# Altium PCB Zynq-Video-Board.PcbDoc (part 5 of 7)
Units mm, origin at the board's own origin, x right, y up, seen from the top; angles counter-clockwise.
Board outline 140 x 100.79 mm, 4 copper layers (Top Layer, Power Layer, GND Layer, Bottom Layer), stack 1.536 mm thick; 231 components, 238 nets, 1116 pads, 595 vias.
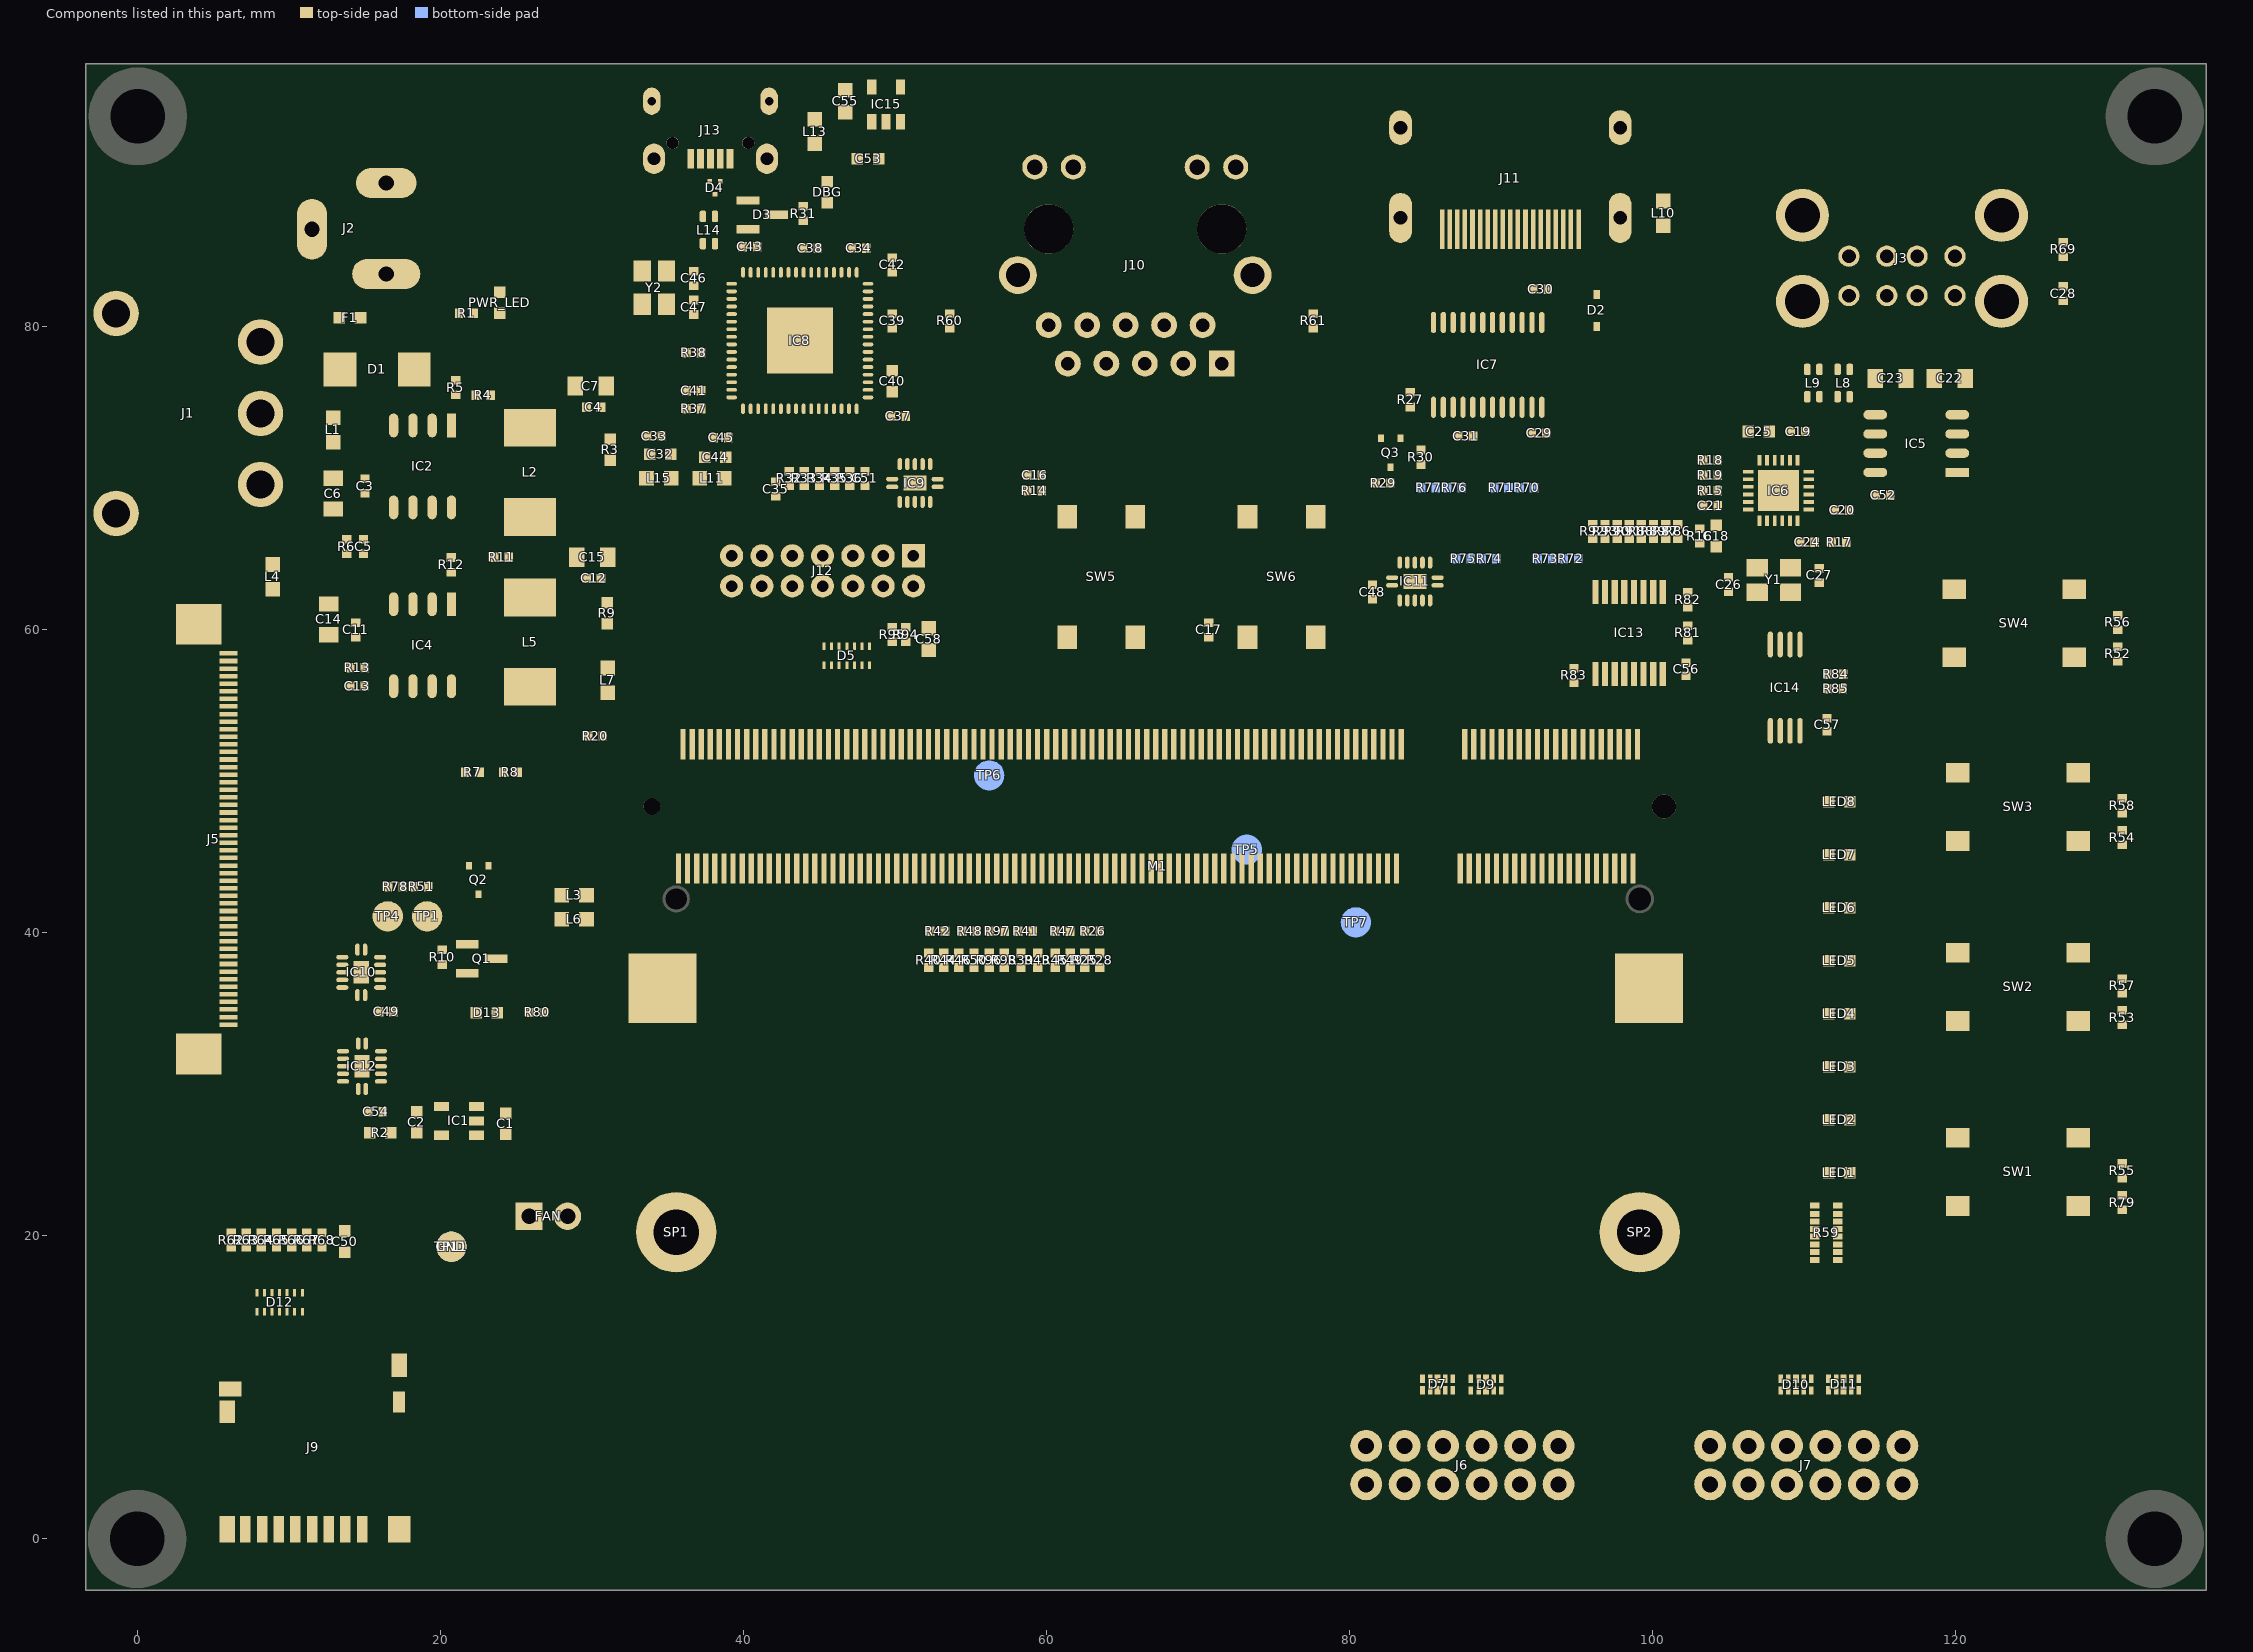
[diagram p7: the components of this part, seen from the top]

## Via types
v1: diameter 0.6, hole 0.25, Top Layer to Bottom Layer, tented both sides, 578 vias
v2: diameter 0.6, hole 0.25, Top Layer to Bottom Layer, 16 vias
v3: diameter 0.8, hole 0.35, Top Layer to Bottom Layer, tented both sides, 1 vias

## Nets (pads, with @x,y where several pads share a name; then routed paths per layer and width w, separated by ;. In a path a pad name is that pad's centre, name@x,y a point inside that pad or via, vN(x,y) a via of type N, cw(c..) or ccw(c..) an arc to the next point about the centre after c; other vN are vias at no path point) (continued)
copper on no net: (continued)
  Top Layer w0.013: 122.483,6.619 122.695,6.619 ; 122.483,6.632 122.695,6.632 ; 122.483,6.645 122.695,6.645 ; 122.483,6.658 122.695,6.658 ; 122.483,6.672 122.695,6.672 ; 122.483,6.685 122.695,6.685 ; 122.496,6.473 122.708,6.473 ; 122.496,6.486 122.708,6.486 ; 122.496,6.5 122.695,6.5 ; 122.496,6.513 122.695,6.513 ; 122.496,6.526 122.695,6.526 ; 122.496,6.539 122.695,6.539 ; 122.496,6.553 122.695,6.553 ; 122.496,6.566 122.695,6.566 ; 122.496,6.579 122.695,6.579 ; 122.496,6.592 122.695,6.592 ; 122.496,6.605 122.695,6.605 ; 122.496,6.698 122.695,6.698 ; 122.496,6.711 122.695,6.711 ; 122.496,6.725 122.695,6.725 ; 122.496,6.738 122.695,6.738 ; 122.496,6.751 122.695,6.751 ; 122.496,6.764 122.695,6.764 ; 122.496,6.778 122.695,6.778 ; 122.496,6.791 122.695,6.791 ; 122.496,6.804 122.695,6.804 ; 122.496,6.817 122.708,6.817 ; 122.496,6.831 122.708,6.831 ; 122.509,6.407 122.735,6.407 ; 122.509,6.42 122.735,6.42 ; 122.509,6.433 122.721,6.433 ; 122.509,6.447 122.721,6.447 ; 122.509,6.46 122.708,6.46 ; 122.509,6.844 122.708,6.844 ; 122.509,6.857 122.721,6.857 ; 122.509,6.87 122.721,6.87 ; 122.509,6.884 122.735,6.884 ; 122.509,6.897 122.735,6.897 ; 122.523,6.367 122.774,6.367 ; 122.523,6.38 122.761,6.38 ; 122.523,6.394 122.748,6.394 ; 122.523,6.91 122.748,6.91 ; 122.523,6.923 122.761,6.923 ; 122.523,6.937 122.774,6.937 ; 122.536,6.341 122.814,6.341 ; 122.536,6.354 122.801,6.354 ; 122.536,6.95 122.801,6.95 ; 122.536,6.963 122.827,6.963 ; 122.549,6.314 123.277,6.314 ; 122.549,6.327 122.854,6.327 ; 122.549,6.976 122.867,6.976 ; 122.549,6.99 123.277,6.99 ; 122.562,6.301 123.264,6.301 ; 122.562,7.003 123.264,7.003 ; 122.576,6.288 123.264,6.288 ; 122.576,7.016 123.264,7.016 ; 122.589,6.261 123.238,6.261 ; 122.589,6.274 123.251,6.274 ; 122.589,7.029 123.251,7.029 ; 122.589,7.042 123.238,7.042 ; 122.602,6.248 123.224,6.248 ; 122.602,7.056 123.224,7.056 ; 122.615,6.235 123.211,6.235 ; 122.615,7.069 123.211,7.069 ; 122.629,6.221 123.198,6.221 ; 122.629,7.082 123.198,7.082 ; 122.642,6.208 123.185,6.208 ; 122.642,7.095 123.185,7.095 ; 122.668,6.195 123.172,6.195 ; 122.668,7.109 123.172,7.109 ; 122.682,6.182 123.145,6.182 ; 122.682,7.122 123.145,7.122 ; 122.708,6.169 123.119,6.169 ; 122.708,7.135 123.119,7.135 ; 122.735,6.155 123.092,6.155 ; 122.735,7.148 123.092,7.148 ; 122.774,6.142 123.052,6.142 ; 122.774,7.162 123.052,7.162 ; 122.814,7.175 123.013,7.175 ; 122.827,6.129 123.013,6.129 ; 122.973,6.327 123.291,6.327 ; 122.973,6.976 123.291,6.976 ; 123.013,6.341 123.291,6.341 ; 123.013,6.963 123.291,6.963 ; 123.039,6.354 123.304,6.354 ; 123.039,6.95 123.304,6.95 ; 123.052,6.367 123.304,6.367 ; 123.052,6.937 123.304,6.937 ; 123.066,6.38 123.304,6.38 ; 123.066,6.923 123.304,6.923 ; 123.079,6.394 123.317,6.394 ; 123.079,6.91 123.317,6.91 ; 123.092,6.407 123.317,6.407 ; 123.092,6.897 123.317,6.897 ; 123.105,6.42 123.317,6.42 ; 123.105,6.433 123.33,6.433 ; 123.105,6.87 123.33,6.87 ; 123.105,6.884 123.317,6.884 ; 123.119,6.447 123.33,6.447 ; 123.119,6.46 123.33,6.46 ; 123.119,6.844 123.33,6.844 ; 123.119,6.857 123.33,6.857 ; 123.132,6.473 123.33,6.473 ; 123.132,6.486 123.33,6.486 ; 123.132,6.5 123.33,6.5 ; 123.132,6.513 123.344,6.513 ; 123.132,6.526 123.344,6.526 ; 123.132,6.539 123.344,6.539 ; 123.132,6.764 123.344,6.764 ; 123.132,6.778 123.344,6.778 ; 123.132,6.791 123.344,6.791 ; 123.132,6.804 123.33,6.804 ; 123.132,6.817 123.33,6.817 ; 123.132,6.831 123.33,6.831 ; 123.145,6.553 123.344,6.553 ; 123.145,6.566 123.344,6.566 ; 123.145,6.579 123.344,6.579 ; 123.145,6.592 123.344,6.592 ; 123.145,6.605 123.344,6.605 ; 123.145,6.619 123.344,6.619 ; 123.145,6.632 123.344,6.632 ; 123.145,6.645 123.344,6.645 ; 123.145,6.658 123.344,6.658 ; 123.145,6.672 123.344,6.672 ; 123.145,6.685 123.344,6.685 ; 123.145,6.698 123.344,6.698 ; 123.145,6.711 123.344,6.711 ; 123.145,6.725 123.344,6.725 ; 123.145,6.738 123.344,6.738 ; 123.145,6.751 123.344,6.751 ; 123.529,4.474 123.741,4.474 ; 123.529,4.487 123.741,4.487 ; 123.529,4.5 123.741,4.5 ; 123.529,4.513 123.741,4.513 ; 123.529,4.527 123.741,4.527 ; 123.529,4.54 123.741,4.54 ; 123.529,4.553 123.741,4.553 ; 123.529,4.566 123.741,4.566 ; 123.529,4.579 123.741,4.579 ; 123.529,4.593 123.741,4.593 ; 123.529,4.606 123.741,4.606 ; 123.529,4.619 123.741,4.619 ; 123.529,4.632 123.741,4.632 ; 123.529,4.646 123.741,4.646 ; 123.529,4.659 123.741,4.659 ; 123.529,4.672 123.741,4.672 ; 123.529,4.685 123.741,4.685 ; 123.529,4.699 123.741,4.699 ; 123.529,4.712 123.741,4.712 ; 123.529,4.725 123.741,4.725 ; 123.529,4.738 123.741,4.738 ; 123.529,4.752 123.741,4.752 ; 123.529,4.765 123.741,4.765 ; 123.529,4.778 123.741,4.778 ; 123.529,4.791 123.741,4.791 ; 123.529,4.805 123.741,4.805 ; 123.529,4.818 123.741,4.818 ; 123.529,4.831 123.741,4.831 ; 123.529,4.844 123.741,4.844 ; 123.529,4.858 123.741,4.858 ; 123.529,4.871 123.741,4.871 ; 123.529,4.884 123.741,4.884 ; 123.529,4.897 123.741,4.897 ; 123.529,4.911 123.741,4.911 ; 123.529,4.924 123.741,4.924 ; 123.529,4.937 123.741,4.937 ; 123.529,4.95 123.741,4.95 ; 123.529,4.963 123.741,4.963 ; 123.529,4.977 123.741,4.977 ; 123.529,4.99 123.741,4.99 ; 123.529,5.003 123.741,5.003 ; 123.529,5.016 123.741,5.016 ; 123.529,5.03 123.741,5.03 ; 123.529,5.043 123.741,5.043 ; 123.529,5.056 123.741,5.056 ; 123.529,5.069 123.741,5.069 ; 123.529,5.083 123.741,5.083 ; 123.529,5.096 123.741,5.096 ; 123.529,5.109 123.741,5.109 ; 123.529,5.122 123.741,5.122 ; 123.529,5.136 123.741,5.136 ; 123.529,5.149 123.741,5.149 ; 123.529,5.162 123.741,5.162 ; 123.529,5.175 123.754,5.175 ; 123.529,5.189 123.754,5.189 ; 123.529,5.202 123.754,5.202 ; 123.529,5.215 123.767,5.215 ; 123.529,5.228 123.767,5.228 ; 123.529,5.242 123.781,5.242 ; 123.529,5.255 123.794,5.255 ; 123.529,5.268 123.807,5.268 ; 123.529,5.281 123.82,5.281 ; 123.529,5.295 123.834,5.295 ; 123.529,5.308 123.86,5.308 ; 123.529,5.321 123.926,5.321 ; 123.529,5.334 124.324,5.334 ; 123.529,5.348 124.31,5.348 ; 123.529,5.361 124.31,5.361 ; 123.529,5.374 124.297,5.374 ; 123.529,5.387 124.297,5.387 ; 123.529,5.4 124.284,5.4 ; 123.529,5.414 123.741,5.414 ; 123.529,5.427 123.741,5.427 ; 123.529,5.44 123.741,5.44 ; 123.529,5.453 123.741,5.453 ; 123.529,5.467 123.741,5.467 ; 123.529,5.48 123.741,5.48 ; 123.529,5.493 123.741,5.493 ; 123.529,5.506 123.741,5.506 ; 123.529,5.52 123.741,5.52 ; 123.529,5.533 123.741,5.533 ; 123.529,5.546 123.741,5.546 ; 123.529,5.559 123.741,5.559 ; 123.529,5.573 123.741,5.573 ; 123.529,5.586 123.741,5.586 ; 123.529,5.599 123.741,5.599 ; 123.529,5.612 123.741,5.612 ; 123.529,5.626 123.741,5.626 ; 123.529,5.639 123.741,5.639 ; 123.529,5.652 123.741,5.652 ; 123.529,5.665 123.741,5.665 ; 123.529,5.679 123.741,5.679 ; 123.529,5.692 123.741,5.692 ; 123.529,5.705 123.741,5.705 ; 123.529,5.718 123.741,5.718 ; 123.529,5.732 123.741,5.732 ; 123.529,5.745 123.741,5.745 ; 123.529,5.758 123.741,5.758 ; 123.529,5.771 123.741,5.771 ; 123.529,5.784 123.741,5.784 ; 123.529,5.798 123.741,5.798 ; 123.529,5.811 123.741,5.811 ; 123.529,5.824 123.741,5.824 ; 123.529,5.837 123.741,5.837 ; 123.529,5.851 123.741,5.851 ; 123.529,5.864 123.741,5.864 ; 123.529,5.877 123.741,5.877 ; 123.529,5.89 123.741,5.89 ; 123.529,5.904 123.741,5.904 ; 123.529,5.917 123.741,5.917 ; 123.529,5.93 123.741,5.93 ; 123.529,5.943 123.741,5.943 ; 123.529,5.957 123.741,5.957 ; 123.529,5.97 123.741,5.97 ; 123.529,5.983 123.741,5.983 ; 123.529,5.996 123.741,5.996 ; 123.529,6.01 123.741,6.01 ; 123.529,6.023 123.741,6.023 ; 123.529,6.036 123.741,6.036 ; 123.529,6.049 123.741,6.049 ; 123.529,6.063 123.741,6.063 ; 123.529,6.076 123.741,6.076 ; 123.529,6.089 123.741,6.089 ; 123.529,6.102 123.741,6.102 ; 123.529,6.116 123.741,6.116 ; 123.529,6.129 123.741,6.129 ; 123.529,6.142 123.741,6.142 ; 123.529,6.155 123.741,6.155 ; 123.529,6.169 123.741,6.169 ; 123.529,6.182 123.741,6.182 ; 123.529,6.195 123.741,6.195 ; 123.529,6.208 123.741,6.208 ; 123.529,6.221 123.741,6.221 ; 123.529,6.235 123.741,6.235 ; 123.529,6.248 124.284,6.248 ; 123.529,6.261 124.297,6.261 ; 123.529,6.274 124.297,6.274 ; 123.529,6.288 124.31,6.288 ; 123.529,6.301 124.324,6.301 ; 123.529,6.314 124.324,6.314 ; 123.529,6.327 123.887,6.327 ; 123.529,6.341 123.847,6.341 ; 123.529,6.354 123.82,6.354 ; 123.529,6.367 123.807,6.367 ; 123.529,6.38 123.794,6.38 ; 123.529,6.394 123.794,6.394 ; 123.529,6.407 123.781,6.407 ; 123.529,6.42 123.767,6.42 ; 123.529,6.433 123.767,6.433 ; 123.529,6.447 123.754,6.447 ; 123.529,6.46 123.754,6.46 ; 123.529,6.473 123.754,6.473 ; 123.529,6.486 123.754,6.486 ; 123.529,6.5 123.741,6.5 ; 123.529,6.513 123.741,6.513 ; 123.529,6.526 123.741,6.526 ; 123.529,6.539 123.741,6.539 ; 123.529,6.553 123.741,6.553 ; 123.529,6.566 123.741,6.566 ; 123.529,6.579 123.741,6.579 ; 123.529,6.592 123.741,6.592 ; 123.529,6.605 123.741,6.605 ; 123.529,6.619 123.741,6.619 ; 123.529,6.632 123.741,6.632 ; 123.529,6.645 123.741,6.645 ; 123.529,6.658 123.741,6.658 ; 123.529,6.672 123.741,6.672 ; 123.529,6.685 123.741,6.685 ; 123.529,6.698 123.741,6.698 ; 123.529,6.711 123.741,6.711 ; 123.529,6.725 123.741,6.725 ; 123.529,6.738 123.741,6.738 ; 123.529,6.751 123.741,6.751 ; 123.529,6.764 123.741,6.764 ; 123.529,6.778 123.741,6.778 ; 123.529,6.791 123.741,6.791 ; 123.529,6.804 123.741,6.804 ; 123.529,6.817 123.754,6.817 ; 123.529,6.831 123.754,6.831 ; 123.529,6.844 123.754,6.844 ; 123.529,6.857 123.767,6.857 ; 123.529,6.87 123.767,6.87 ; 123.529,6.884 123.767,6.884 ; 123.529,6.897 123.781,6.897 ; 123.529,6.91 123.794,6.91 ; 123.529,6.923 123.794,6.923 ; 123.529,6.937 123.807,6.937 ; 123.529,6.95 123.834,6.95 ; 123.529,6.963 123.86,6.963 ; 123.529,6.976 123.887,6.976 ; 123.529,6.99 124.324,6.99 ; 123.529,7.003 124.324,7.003 ; 123.529,7.016 124.31,7.016 ; 123.529,7.029 124.297,7.029 ; 123.529,7.042 124.297,7.042 ; 123.529,7.056 124.284,7.056 ; 123.529,7.069 123.741,7.069 ; 123.529,7.082 123.741,7.082 ; 123.529,7.095 123.741,7.095 ; 123.529,7.109 123.741,7.109 ; 123.529,7.122 123.741,7.122 ; 123.529,7.135 123.741,7.135 ; 123.529,7.148 123.741,7.148 ; 123.529,7.162 123.741,7.162 ; 123.608,10.631 126.535,10.631 ; 123.608,10.644 126.535,10.644 ; 123.608,10.658 126.522,10.658 ; 123.608,10.671 126.522,10.671 ; 123.608,10.684 126.508,10.684 ; 123.608,10.697 126.508,10.697 ; 123.608,10.71 126.508,10.71 ; 123.608,10.724 126.495,10.724 ; 123.608,10.737 126.495,10.737 ; 123.608,10.75 126.495,10.75 ; 123.608,10.763 126.482,10.763 ; 123.608,10.777 126.482,10.777 ; 123.608,10.79 126.482,10.79 ; 123.608,10.803 126.469,10.803 ; 123.608,10.816 126.469,10.816 ; 123.608,10.83 126.469,10.83 ; 123.608,10.843 126.456,10.843 ; 123.608,10.856 126.456,10.856 ; 123.608,10.869 126.456,10.869 ; 123.608,10.883 126.456,10.883 ; 123.608,10.896 126.442,10.896 ; 123.608,10.909 126.442,10.909 ; 123.608,10.922 126.442,10.922 ; 123.608,10.936 126.442,10.936 ; 123.608,10.949 126.442,10.949 ; 123.608,10.962 126.429,10.962 ; 123.608,10.975 126.429,10.975 ; 123.608,10.989 126.429,10.989 ; 123.608,11.002 126.429,11.002 ; 123.608,11.015 126.429,11.015 ; 123.608,11.028 126.429,11.028 ; 123.608,11.042 126.429,11.042 ; 123.608,11.055 126.429,11.055 ; 123.608,11.068 126.429,11.068 ; 123.608,11.081 126.429,11.081 ; 123.608,11.095 126.429,11.095 ; 123.608,11.108 126.429,11.108 ; 123.608,11.121 126.416,11.121 ; 123.608,11.134 126.429,11.134 ; 123.608,11.147 126.429,11.147 ; 123.608,11.161 126.429,11.161 ; 123.608,11.174 126.429,11.174 ; 123.608,11.187 126.429,11.187 ; 123.608,11.2 126.429,11.2 ; 123.608,11.214 126.429,11.214 ; 123.608,11.227 126.429,11.227 ; 123.608,11.24 126.429,11.24 ; 123.608,11.253 126.429,11.253 ; 123.608,11.267 126.429,11.267 ; 123.608,11.28 126.429,11.28 ; 123.608,11.293 126.442,11.293 ; 123.608,11.306 126.442,11.306 ; 123.608,11.32 126.442,11.32 ; 123.608,11.333 126.442,11.333 ; 123.608,11.346 126.442,11.346 ; 123.608,11.359 126.442,11.359 ; 123.608,11.373 126.456,11.373 ; 123.608,11.386 126.456,11.386 ; 123.608,11.399 126.456,11.399 ; 123.608,11.412 126.456,11.412 ; 123.608,11.426 126.469,11.426 ; 123.608,11.439 126.469,11.439 ; 123.608,11.452 126.469,11.452 ; 123.608,11.465 126.482,11.465 ; 123.608,11.479 126.482,11.479 ; 123.608,11.492 126.482,11.492 ; 123.608,11.505 126.495,11.505 ; 123.608,11.518 126.495,11.518 ; 123.608,11.531 126.495,11.531 ; 123.608,11.545 126.508,11.545 ; 123.608,11.558 126.508,11.558 ; 123.608,11.571 126.522,11.571 ; 123.608,11.584 126.522,11.584 ; 123.608,11.598 126.535,11.598 ; 123.608,11.611 126.535,11.611 ; 123.608,11.624 126.548,11.624 ; 123.608,11.637 126.548,11.637 ; 123.622,10.605 126.548,10.605 ; 123.622,10.618 126.548,10.618 ; 123.622,11.651 126.561,11.651 ; 123.635,11.664 126.561,11.664 ; 123.648,10.591 126.561,10.591 ; 123.688,11.677 126.575,11.677 ; 123.701,10.578 126.561,10.578 ; 123.754,5.414 124.271,5.414 ; 123.754,6.235 124.271,6.235 ; 123.754,7.069 124.271,7.069 ; 123.754,11.69 126.575,11.69 ; 123.767,5.427 124.257,5.427 ; 123.767,6.221 124.257,6.221 ; 123.767,7.082 124.257,7.082 ; 123.767,10.565 126.575,10.565 ; 123.781,5.44 124.244,5.44 ; 123.781,6.208 124.244,6.208 ; 123.781,7.095 124.244,7.095 ; 123.794,5.453 124.218,5.453 ; 123.794,6.195 124.231,6.195 ; 123.794,7.109 124.231,7.109 ; 123.807,7.122 124.218,7.122 ; 123.82,5.467 124.204,5.467 ; 123.82,6.182 124.218,6.182 ; 123.82,11.704 126.588,11.704 ; 123.834,7.135 124.191,7.135 ; 123.847,5.48 124.178,5.48 ; 123.847,6.169 124.191,6.169 ; 123.847,10.552 126.588,10.552 ; 123.86,5.493 124.151,5.493 ; 123.86,6.155 124.178,6.155 ; 123.86,7.148 124.165,7.148 ; 123.9,5.506 124.125,5.506 ; 123.9,6.142 124.138,6.142 ; 123.9,7.162 124.138,7.162 ; 123.9,11.717 126.601,11.717 ; 123.913,10.538 126.588,10.538 ; 123.926,6.129 124.098,6.129 ; 123.926,7.175 124.098,7.175 ; 123.966,5.52 124.072,5.52 ; 123.966,11.73 126.601,11.73 ; 123.979,5.321 124.337,5.321 ; 123.979,10.525 126.601,10.525 ; 124.006,6.327 124.337,6.327 ; 124.006,6.976 124.337,6.976 ; 124.032,5.308 124.337,5.308 ; 124.032,11.743 126.614,11.743 ; 124.045,6.341 124.337,6.341 ; 124.045,6.963 124.337,6.963 ; 124.059,5.295 124.337,5.295 ; 124.059,10.512 126.614,10.512 ; 124.072,5.281 124.35,5.281 ; 124.072,6.354 124.337,6.354 ; 124.072,6.95 124.337,6.95 ; 124.085,6.367 124.337,6.367 ; 124.085,6.937 124.337,6.937 ; 124.098,5.268 124.35,5.268 ; 124.098,6.38 124.35,6.38 ; 124.098,6.923 124.35,6.923 ; 124.112,5.242 124.35,5.242 ; 124.112,5.255 124.35,5.255 ; 124.112,6.394 124.35,6.394 ; 124.112,6.91 124.35,6.91 ; 124.112,11.757 126.628,11.757 ; 124.125,5.228 124.35,5.228 ; 124.125,6.407 124.35,6.407 ; 124.125,6.42 124.35,6.42 ; 124.125,6.884 124.35,6.884 ; 124.125,6.897 124.35,6.897 ; 124.125,10.499 126.614,10.499 ; 124.138,5.202 124.363,5.202 ; 124.138,5.215 124.363,5.215 ; 124.138,6.433 124.35,6.433 ; 124.138,6.447 124.35,6.447 ; 124.138,6.46 124.35,6.46 ; 124.138,6.844 124.35,6.844 ; 124.138,6.857 124.35,6.857 ; 124.138,6.87 124.35,6.87 ; 124.151,5.136 124.363,5.136 ; 124.151,5.149 124.363,5.149 ; 124.151,5.162 124.363,5.162 ; 124.151,5.175 124.363,5.175 ; 124.151,5.189 124.363,5.189 ; 124.151,6.473 124.363,6.473 ; 124.151,6.486 124.363,6.486 ; 124.151,6.5 124.363,6.5 ; 124.151,6.513 124.363,6.513 ; 124.151,6.526 124.363,6.526 ; 124.151,6.539 124.363,6.539 ; 124.151,6.764 124.363,6.764 ; 124.151,6.778 124.363,6.778 ; 124.151,6.791 124.363,6.791 ; 124.151,6.804 124.363,6.804 ; 124.151,6.817 124.363,6.817 ; 124.151,6.831 124.363,6.831 ; 124.165,4.474 124.363,4.474 ; 124.165,4.487 124.363,4.487 ; 124.165,4.5 124.363,4.5 ; 124.165,4.513 124.363,4.513 ; 124.165,4.527 124.363,4.527 ; 124.165,4.54 124.363,4.54 ; 124.165,4.553 124.363,4.553 ; 124.165,4.566 124.363,4.566 ; 124.165,4.579 124.363,4.579 ; 124.165,4.593 124.363,4.593 ; 124.165,4.606 124.363,4.606 ; 124.165,4.619 124.363,4.619 ; 124.165,4.632 124.363,4.632 ; 124.165,4.646 124.363,4.646 ; 124.165,4.659 124.363,4.659 ; 124.165,4.672 124.363,4.672 ; 124.165,4.685 124.363,4.685 ; 124.165,4.699 124.363,4.699 ; 124.165,4.712 124.363,4.712 ; 124.165,4.725 124.363,4.725 ; 124.165,4.738 124.363,4.738 ; 124.165,4.752 124.363,4.752 ; 124.165,4.765 124.363,4.765 ; 124.165,4.778 124.363,4.778 ; 124.165,4.791 124.363,4.791 ; 124.165,4.805 124.363,4.805 ; 124.165,4.818 124.363,4.818 ; 124.165,4.831 124.363,4.831 ; 124.165,4.844 124.363,4.844 ; 124.165,4.858 124.363,4.858 ; 124.165,4.871 124.363,4.871 ; 124.165,4.884 124.363,4.884 ; 124.165,4.897 124.363,4.897 ; 124.165,4.911 124.363,4.911 ; 124.165,4.924 124.363,4.924 ; 124.165,4.937 124.363,4.937 ; 124.165,4.95 124.363,4.95 ; 124.165,4.963 124.363,4.963 ; 124.165,4.977 124.363,4.977 ; 124.165,4.99 124.363,4.99 ; 124.165,5.003 124.363,5.003 ; 124.165,5.016 124.363,5.016 ; 124.165,5.03 124.363,5.03 ; 124.165,5.043 124.363,5.043 ; 124.165,5.056 124.363,5.056 ; 124.165,5.069 124.363,5.069 ; 124.165,5.083 124.363,5.083 ; 124.165,5.096 124.363,5.096 ; 124.165,5.109 124.363,5.109 ; 124.165,5.122 124.363,5.122 ; 124.165,6.553 124.363,6.553 ; 124.165,6.566 124.363,6.566 ; 124.165,6.579 124.363,6.579 ; 124.165,6.592 124.363,6.592 ; 124.165,6.605 124.363,6.605 ; 124.165,6.619 124.363,6.619 ; 124.165,6.632 124.363,6.632 ; 124.165,6.645 124.363,6.645 ; 124.165,6.658 124.363,6.658 ; 124.165,6.672 124.363,6.672 ; 124.165,6.685 124.363,6.685 ; 124.165,6.698 124.363,6.698 ; 124.165,6.711 124.363,6.711 ; 124.165,6.725 124.363,6.725 ; 124.165,6.738 124.363,6.738 ; 124.165,6.751 124.363,6.751 ; 124.178,11.77 126.628,11.77 ; 124.191,10.485 126.628,10.485 ; 124.257,11.783 126.641,11.783 ; 124.271,10.472 126.641,10.472 ; 124.324,11.796 126.654,11.796 ; 124.337,10.459 126.641,10.459 ; 124.39,8.737 126.548,8.737 ; 124.39,8.751 126.548,8.751 ; 124.39,11.81 126.667,11.81 ; 124.39,13.505 130.653,13.505 ; 124.39,13.518 130.653,13.518 ; 124.403,8.711 126.535,8.711 ; 124.403,8.724 126.535,8.724 ; 124.403,8.764 126.548,8.764 ; 124.403,8.777 126.561,8.777 ; 124.403,13.478 130.64,13.478 ; 124.403,13.491 130.64,13.491 ; 124.403,13.531 130.64,13.531 ; 124.403,13.544 130.64,13.544 ; 124.416,8.698 126.522,8.698 ; 124.416,8.79 126.561,8.79 ; 124.416,8.804 126.575,8.804 ; 124.416,10.446 126.654,10.446 ; 124.416,13.465 130.627,13.465 ; 124.416,13.558 130.627,13.558 ; 124.429,8.684 126.522,8.684 ; 124.429,8.817 126.575,8.817 ; 124.429,13.438 130.613,13.438 ; 124.429,13.452 130.613,13.452 ; 124.429,13.571 130.613,13.571 ; 124.443,8.671 126.522,8.671 ; 124.443,8.83 126.588,8.83 ; 124.443,8.843 126.588,8.843 ; 124.443,13.425 130.6,13.425 ; 124.443,13.584 130.6,13.584 ; 124.456,8.658 126.508,8.658 ; 124.456,8.857 126.588,8.857 ; 124.456,13.399 130.587,13.399 ; 124.456,13.412 130.587,13.412 ; 124.456,13.597 130.587,13.597 ; 124.469,8.645 126.508,8.645 ; 124.469,8.87 126.601,8.87 ; 124.469,8.883 126.601,8.883 ; 124.469,11.823 126.667,11.823 ; 124.469,13.385 130.574,13.385 ; 124.469,13.61 130.574,13.61 ; 124.482,8.632 126.495,8.632 ; 124.482,8.896 126.614,8.896 ; 124.482,10.432 126.667,10.432 ; 124.482,13.359 130.561,13.359 ; 124.482,13.372 130.561,13.372 ; 124.482,13.624 130.561,13.624 ; 124.496,8.618 126.495,8.618 ; 124.496,8.91 126.614,8.91 ; 124.496,13.346 130.547,13.346 ; 124.496,13.637 130.547,13.637 ; 124.509,8.605 126.482,8.605 ; 124.509,8.923 126.614,8.923 ; 124.509,8.936 126.628,8.936 ; 124.509,13.319 130.534,13.319 ; 124.509,13.332 130.534,13.332 ; 124.509,13.65 130.534,13.65 ; 124.522,4.712 124.734,4.712 ; 124.522,4.725 124.721,4.725 ; 124.522,4.738 124.721,4.738 ; 124.522,4.752 124.721,4.752 ; 124.522,4.765 124.721,4.765 ; 124.522,4.778 124.708,4.778 ; 124.522,4.791 124.708,4.791 ; 124.522,4.805 124.721,4.805 ; 124.522,4.818 124.721,4.818 ; 124.522,4.831 124.721,4.831 ; 124.522,6.5 124.721,6.5 ; 124.522,6.513 124.721,6.513 ; 124.522,6.526 124.721,6.526 ; 124.522,6.539 124.721,6.539 ; 124.522,6.553 124.721,6.553 ; 124.522,6.566 124.721,6.566 ; 124.522,6.579 125.37,6.579 ; 124.522,6.592 125.37,6.592 ; 124.522,6.605 125.37,6.605 ; 124.522,6.619 125.37,6.619 ; 124.522,6.632 125.37,6.632 ; 124.522,6.645 125.37,6.645 ; 124.522,6.658 125.37,6.658 ; 124.522,6.672 125.37,6.672 ; 124.522,6.685 125.37,6.685 ; 124.522,6.698 125.37,6.698 ; 124.522,6.711 125.37,6.711 ; 124.522,6.725 125.37,6.725 ; 124.522,6.738 125.37,6.738 ; 124.522,6.751 124.721,6.751 ; 124.522,6.764 124.721,6.764 ; 124.522,6.778 